# Altium PCB 控制板.PcbDoc (part 11 of 12)
Units mil, origin at the board's own origin, x right, y up, seen from the top; angles counter-clockwise.
Board outline 8150.4 x 2246.9 mil, 6 copper layers (TopLayer, MidLayer1, MidLayer2, MidLayer3, MidLayer4, BottomLayer); 1570 components, 853 nets, 4888 pads, 1859 vias.
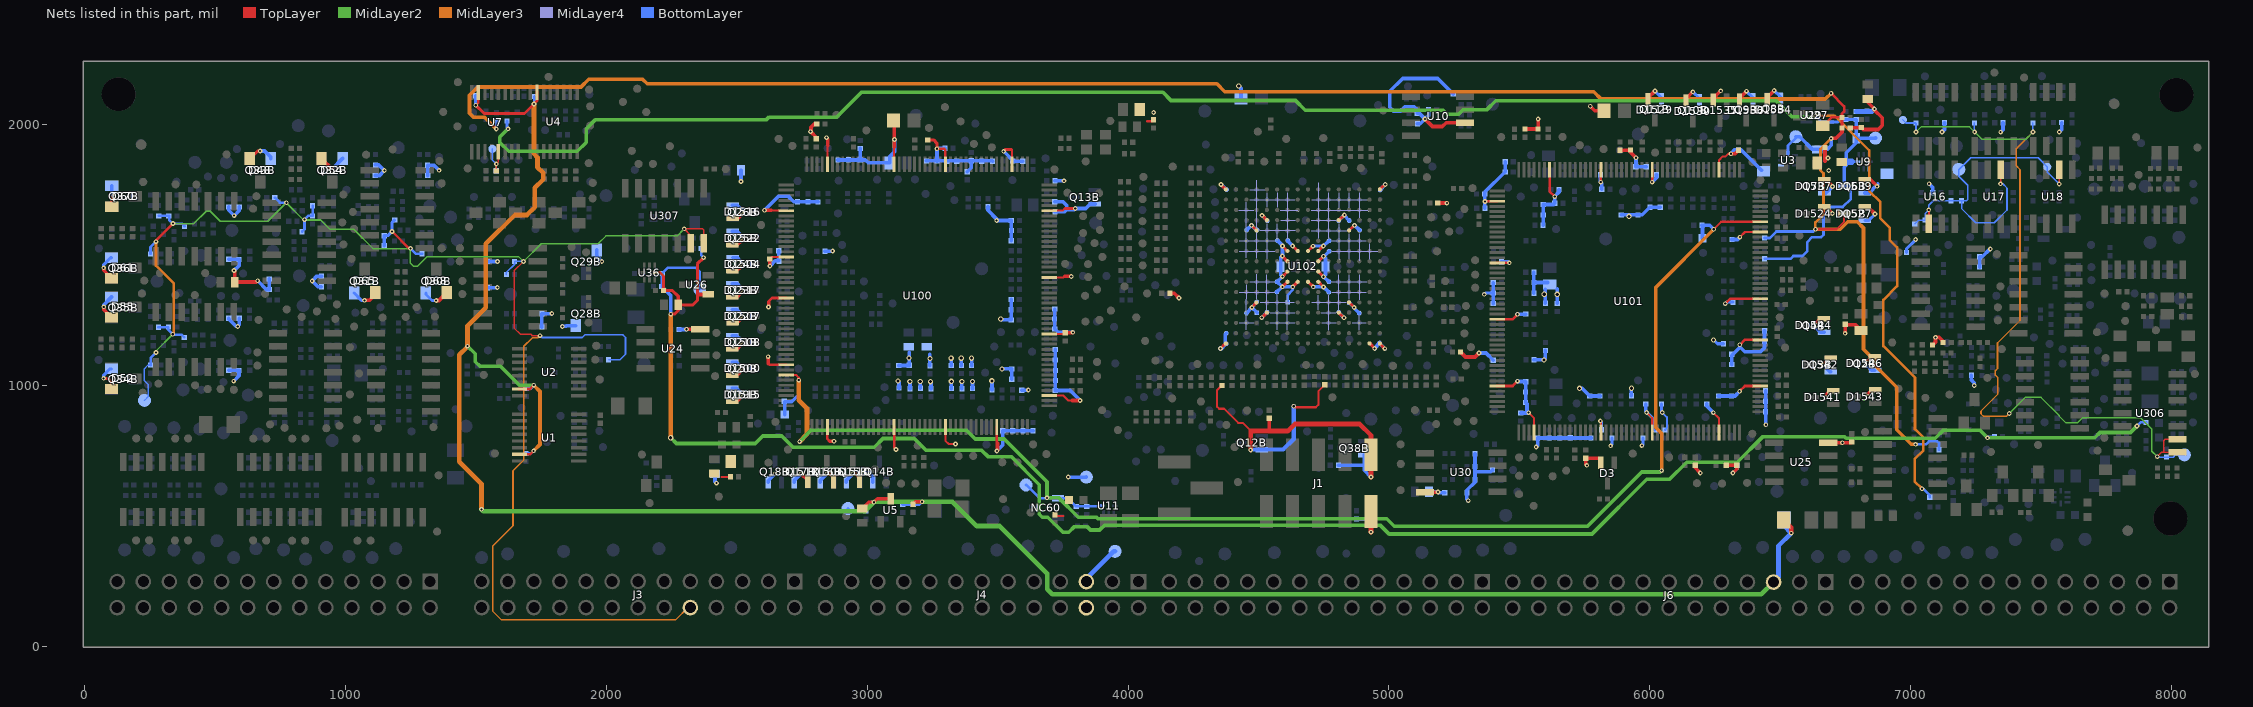
[diagram p15: the nets of this part, all layers, seen from the top]

## Via types
v1: diameter 18, hole 8, TopLayer to BottomLayer, tented both sides, 1737 vias
v2: diameter 20, hole 12, TopLayer to BottomLayer, tented both sides, 71 vias
v3: diameter 22, hole 12, TopLayer to BottomLayer, tented both sides, 51 vias

## Nets (pads, with @x,y where several pads share a name; then routed paths per layer and width w, separated by ;. In a path a pad name is that pad's centre, name@x,y a point inside that pad or via, vN(x,y) a via of type N, cw(c..) or ccw(c..) an arc to the next point about the centre after c; other vN are vias at no path point) (continued)
VDD: C11.1 C12.2 C13.1 C15.1 C19.2 C26.1 C27.1 C33.2 C34.2 C39.2 C43.1 C50.1 C55.2 C56.1 C63.2 C170.1 C190.1 C191.1 C192.1 C193.1 C194.2 C195.2 C196.2 C202.2 C203.2 C207.1 C212.2 C224.1 C229.1 C230.1 C231.2 C232.2 C234.1 C235.1 C236.1 C237.1 C238.1 C239.1 C240.1 C241.1 C242.1 C243.1 C244.2 C245.2 C246.2 C249.1 C252.1 C253.2 C254.2 C255.1 C256.2 C257.2 C258.1 C259.2 C260.2 C263.1 C265.2 C266.1 C267.1 C268.2 C269.1 C270.1 C271.1 C272.2 C273.2 C274.1 C275.1 C276.2 C277.1 C278.1 C279.2 C280.2 C281.2 C326.2 C327.2 C328.2 C358.1 C362.2 C370.2 C496.2 D3.2 D48.2 D52.2 D54.2 D55.2 D60.2 D61.2 D65.2 D66.1 D67.1 D68.2 D69.1 D1500.2 D1504.2 D1506.2 D1507.2 D1508.2 D1510.2 D1513.2 D1515.2 D1516.2 D1517.2 D1522.2 D1524.2 D1527.2 D1529.2 D1530.2 D1534.2 D1535.2 D1536.2 D1537.2 D1539.2 D1541.2 D1542.2 D1543.2 D1544.2 D1546.2 J1.1 J1.2 J4.5 J4.6 LB1.2 LB2.1 LB4.2 LB6.1 NC3.2 NC5.1 NC6.2 NC7.2 NC8.1 NC9.1 NC15.2 NC17.1 NC21.2 NC22.2 NC23.1 NC24.1 NC25.1 NC28.2 NC32.2 NC33.1 NC34.1 NC35.2 NC36.1 NC55.1 NC57.2 NC58.1 NC62.1 NC64.1 NC68.2 NC69.2 Q2B.2 Q3B.2 Q4B.2 Q5B.2 Q6B.2 Q7B.2 Q8B.2 Q9B.2 Q10B.2 Q11B.2 Q12B.2 Q13B.2 Q14B.2 Q15B.2 Q16B.2 Q17B.2 Q18B.2 Q19B.2 Q20B.2 Q21B.2 Q22B.2 Q23B.2 Q24B.2 Q25B.2 Q26B.2 Q28B.2 Q29B.2 Q30B.2 Q31B.2 Q32B.2 Q33B.2 Q34B.2 Q35B.2 Q36B.2 Q37B.2 Q38B.2 R21.2 R36.2 R39.1 R55.2 R56.2 R60.1 R64.1 R94.1 R104.1 R112.1 R148.2 R169.2 R173.1 R174.2 R306.1 R316.1 R317.2 R328.1 R331.2 R332.1 R336.1 R340.2 R348.2 R349.2 R350.2 R351.2 R353.2 R354.2 R374.1 R376.1 R377.2 R383.2 R384.1 R385.1 R386.1 R389.2 R391.2 R392.2 R393.2 R397.1 R398.1 R406.2 R408.2 R409.2 R410.2 R411.1 R412.1 R414.1 R415.2 R419.2 R420.2 R421.2 R424.1 R427.1 R428.1 R429.1 R454.1 R455.1 R457.1 R467.2 R472.1 R473.1 R474.1 R475.1 R476.1 R478.1 R479.1 R480.1 R488.1 R490.1 R492.2 R493.1 R494.1 R495.2 R498.2 R499.2 R501.2 R502.2 R503.2 R509.2 R510.2 R511.2 R512.1 R513.1 R514.1 R515.1 R516.1 R517.1 R518.2 R522.1 R523.1 R525.1 R526.1 R527.1 R528.2 R529.1 R530.1 R531.1 R532.1 R533.1 R534.2 R535.2 R536.2 R537.2 R538.2 R539.2 R564.2 R574.2 R575.2 R583.2 R584.2 R585.2 R586.1 R587.1 R608.2 R609.2 R615.2 R617.2 R672.2 R673.2 R681.2 R682.2 R735.2 R736.2 R739.1 R740.1 R758.2 R759.2 R764.2 R765.2 R785.2 R786.2 R789.2 R790.2 TP1101.1 TP1104.1 U3.4 U9.4 U10.2 U24.8 U25.8 U30.8 U100.6 U100.15 U100.23 U100.36 U100.49 U100.62 U100.72 U100.82 U100.91 U100.103 U100.114 U100.127 U100.136 U100.149 U100.159 U100.172 U101.6 U101.15 U101.23 U101.36 U101.49 U101.62 U101.72 U101.82 U101.91 U101.103 U101.114 U101.127 U101.136 U101.149 U101.159 U101.172 U102.A1 U102.A2 U102.A16 U102.D5 U102.D12 U102.E4 U102.E13 U102.G7 U102.G8 U102.G9 U102.G10 U102.H7 U102.H10 U102.J7 U102.J10 U102.K7 U102.K8 U102.K9 U102.K10 U102.M4 U102.M13 U102.N5 U102.N12 U102.T1 U102.T16 | length 26489.3
  TopLayer w8: 2441.8,650 C55.2@2475.7,650 ; 2620.3,1084.2 2624.68,1079.82 U100.36@2689,1079.82 ; C50.1@2626.9,1485.7 2634.41,1493.21 U100.15@2689,1493.21 ; 2632.4,1672.1 2634.13,1670.37 U100.6@2689,1670.37 ; U100.172@2847.14,1848.5 2847.14,1916.74 2849.2,1918.8 ; U100.159@3103.05,1848.5 3103.05,1914.44 ; U100.72@3299.9,840.8 3299.9,788.6 3312.6,775.9 v1(3338.2,775.9) ; 3552.6,1905.3 3555.8,1902.1 U100.136@3555.8,1848.5 ; U100.91@3697.8,961.71 3751.29,961.71 3770.2,942.8 3785.9,942.8 ; U100.103@3697.8,1197.93 3754.83,1197.93 C43.1@3759.4,1202.5 ; U100.114@3697.8,1414.47 3753.27,1414.47 3757.2,1418.4 ; U100.127@3697.8,1670.37 3749.17,1670.37 3757.8,1679 ; 4073.6,2013.2 4091.9,2013.2 C39.2@4097.4,2018.7 ; R104.1@4360.3,1000.5 4360.1,1000.5 4340.7,981.1 4340.7,919.6 4349.4,910.9 4368.4,910.9 4422.2,857.1 4440.1,857.1 4473,824.2 ; v1(4635.3,920.5) 4638.9,916.9 4720.3,916.9 4729.6,926.2 4729.6,978.1 4754.3,1002.8 R94.1@4754.6,1002.8 ; v1(5535.9,896.1) 5557.2,874.8 U101.136@5557.2,819.9 ; v1(5810.9,864.2) 5813.1,862 U101.149@5813.1,819.9 ; v1(5988.4,896.5) 6009.96,874.94 U101.159@6009.96,819.9 ; v1(6009.4,1779.8) 6009.95,1780.35 U101.62@6009.95,1827.6 ; v1(6244.2,896.1) 6265.86,874.44 U101.172@6265.86,819.9 ; U101.49@6265.86,1827.6 6265.86,1863.76 6280.7,1878.6 6291.3,1878.6 6301.5,1888.8 v1(6311.3,1888.8) ; v1(6345.9,1568.8) 6365.68,1588.58 U101.36@6424,1588.58
  TopLayer w10: 2621.9,1321.9 2635.73,1335.73 U100.23@2689,1335.73 ; U100.49@2847.14,840.8 2847.14,795.26 2856.1,786.3 ; U100.62@3103.05,840.8 3103.05,762.25 v1(3110.7,754.6) ; v1(3266.9,1907.8) 3295.2,1907.8 3299.9,1903.1 U100.149@3299.9,1848.5 ; U100.82@3496.75,840.8 3496.75,781.45 3499.4,778.8 ; v1(5368.8,1705.9) 5369.59,1706.69 U101.91@5415.2,1706.69 ; U101.127@5415.2,998.03 5474.33,998.03 v1(5493.2,1016.9) ; U101.114@5415.2,1253.93 5474.13,1253.93 v1(5493.4,1273.2) ; U101.103@5415.2,1470.47 5461.93,1470.47 v1(5462.1,1470.3) ; U101.82@5616.25,1827.6 5616.25,1743.85 v1(5636.1,1724) ; v1(5812.4,1779.6) 5813.1,1780.3 U101.72@5813.1,1827.6 ; v1(6289.9,1313.8) 6308.77,1332.67 U101.23@6424,1332.67 ; v1(6345.1,978.2) 6364.93,998.03 U101.6@6424,998.03 ; v1(6345.5,1156.3) 6364.39,1175.19 U101.15@6424,1175.19
  TopLayer w12: v1(72.4,1027.5) 88.2,1027.5 102.8,1012.9 D52.2@102.8,986.7 ; D48.2@632.4,1870 634,1870 663.2,1899.2 v1(672.4,1899.2) ; v1(2606.5,1672.1) 2632.4,1672.1 ; 2856.1,786.3 v1(2872.4,786.3) ; R169.2@3232.4,1941.7 3254.6,1941.7 3266.9,1929.4 v1(3266.9,1907.8) ; v1(3523.2,1898) 3530.5,1905.3 3552.6,1905.3 ; 3757.8,1679 v1(3797.8,1679) ; v1(4354.4,1141.9) U102.A16@4374.95,1161.5 ; v1(4356.1,1770.5) U102.T16@4374.95,1752.05 ; v1(4473.2,1614.2) U102.M13@4493.06,1594.57 ; v1(4474.6,1299) U102.E13@4493.06,1318.98 ; v1(4512.8,1260.3) U102.D12@4532.43,1279.61 ; v1(4514,1652.5) U102.N12@4532.43,1633.94 ; v1(4591.7,1378.4) U102.G10@4611.17,1397.72 ; v1(4591.7,1417.5) U102.H10@4611.17,1437.09 ; v1(4591.7,1496.5) U102.J10@4611.17,1476.46 ; v1(4592.1,1535.3) U102.K10@4611.17,1515.83 ; v1(4631.3,1534.8) U102.K9@4650.54,1515.83 ; v1(4631.5,1378.2) U102.G9@4650.54,1397.72 ; U102.G8@4689.91,1397.72 v1(4710.3,1378.2) ; U102.K8@4689.91,1515.83 v1(4709.4,1534.6) ; U102.G7@4729.28,1397.72 v1(4749.4,1378) ; U102.H7@4729.28,1437.09 v1(4749.6,1417.1) ; U102.J7@4729.28,1476.46 v1(4749.2,1495.7) ; U102.K7@4729.28,1515.83 v1(4749,1535.3) ; U102.D5@4808.02,1279.61 v1(4828,1260) ; U102.N5@4808.02,1633.94 v1(4829.2,1653.6) ; U102.E4@4847.39,1318.98 v1(4867.1,1299) ; U102.M4@4847.39,1594.57 v1(4868.2,1614) ; U102.A2@4926.13,1161.5 v1(4945.5,1142.1) ; U102.A1@4965.5,1161.5 v1(4984.6,1141.5) ; U102.T1@4965.5,1752.05 v1(4986.1,1770.7) ; v1(6674.9,954.4) 6674.9,964.1 6690.9,980.1 D1541.2@6704,980.1 ; U25.8@6684.5,780.5 6770.9,780.5 C27.1@6774.4,784 ; v1(6834.9,1085.5) 6834.9,1095.1 6850.3,1110.5 D1546.2@6863.6,1110.5 ; v1(6836.3,958.4) 6836.3,967.9 6852.2,983.8 D1543.2@6864.9,983.8
  TopLayer w14: v1(72.4,1451.3) 72.4,1442.1 D61.2@102.8,1411.7 ; v1(72.8,1301.7) 72.8,1291.7 102.3,1262.2 D55.2@103.2,1262.2 ; D60.2@103.6,1685.5 103.6,1716.7 v1(112.4,1725.5) ; v1(572.4,1440.9) 574.9,1438.4 C63.2@574.9,1396.7 657.8,1396.7 v1(662.8,1401.7) ; D54.2@907.8,1869.6 908.6,1869.6 947.8,1830.4 v1(947.8,1825.5) ; v1(1072.8,1326.7) 1092,1326.7 1113.2,1347.9 D65.2@1113.2,1356.3 ; v1(1347.4,1325.9) 1358.2,1325.9 D68.2@1388.6,1356.3 ; v1(2307.4,1215.9) U24.8@2360.3,1215.9 ; D1515.2@2482.4,939.2 2500.1,939.2 2515.3,954.4 v1@2515.3,963.8 ; D1500.2@2482.4,1039.6 2501.3,1039.6 2515.1,1053.4 v1(2515.1,1065.7) ; D1517.2@2482.4,1339.6 2501.1,1339.6 2515.3,1353.8 v1(2515.3,1365.5) ; D1508.2@2482.8,1140.4 2501.4,1140.4 2515.3,1154.3 v1(2515.3,1166.3) ; D1504.2@2483,1439.6 2500,1439.6 2515.3,1454.9 v1(2515.3,1465.5) ; D1522.2@2483,1539.4 2501.5,1539.4 2516.1,1554 v1(2516.1,1565) ; D1507.2@2483.6,1240.4 2500.6,1240.4 2515.3,1255.1 v1(2515.3,1265.9) ; D1516.2@2483.6,1640 2502.5,1640 2516.1,1653.6 v1(2516.1,1665) ; 2620.3,1084.2 v1(2620.3,1110.9) ; v1(2621.9,1300.9) 2621.9,1321.9 ; v1(2626.9,1458) C50.1@2626.9,1485.7 ; v1(2746.5,662.1) 2772,636.6 D1513.2@2772,630.5 ; R174.2@2804.4,1946.2 2804.4,1951.7 2784.4,1971.7 2784.4,1990.4 2797,2003 R173.1@2806.9,2003 ; v1(2843.6,1950.5) 2849.2,1944.9 2849.2,1918.8 ; v1(2846.1,662.1) 2857.6,662.1 2870.7,649 D1506.2@2870.7,630 ; v1(2945.7,662.5) 2956,662.5 2970.7,647.8 D1510.2@2970.7,630.9 ; D66.1@3100.3,2015.9 3103.05,2013.16 3103.05,1914.44 ; v1(3496.9,749.2) 3499.4,751.7 3499.4,778.8 ; 3757.2,1418.4 v1(3782.4,1418.4) ; C43.1@3759.4,1202.5 3786.9,1202.5 v1(3788.4,1204) ; 3785.9,942.8 v1(3816.5,942.8) ; R148.2@4160.4,1353.8 4177,1353.8 v1(4195.3,1335.5) ; 4541.1,828.8 R112.1@4541.1,874.4 ; v1(5138.8,2021.7) 5167.5,1993 5204.9,1993 5219.7,2007.8 U10.2@5291.9,2007.8 ; U30.8@5139,591.3 5139.2,591.5 v1(5188.6,591.5) ; R64.1@5187.6,1699.6 5222.2,1699.6 v1(5222.4,1699.4) ; NC64.1@5275.1,1128.2 5293.7,1109.6 5330.5,1109.6 v1(5345.7,1124.8) ; NC68.2@5521.7,1983.3 5571.7,1983.3 5572.6,1984.2 v1(5572.6,2021.7) ; v1(5759.2,694) 5755.1,698.1 R60.1@5755.1,721.5 5802.7,721.5 5812.7,711.5 D3.2@5812.7,703.8 ; v1(5772.1,2070.9) 5789.6,2053.4 D67.1@5824.9,2053.4 ; C34.2@5886.3,1902.4 5926.3,1902.4 5926.3,1894.5 v1(5947.4,1873.4) ; D1529.2@5994,2096.7 5994,2103.1 v1(6020.1,2129.2) ; D1530.2@6139.2,2091.9 6139.2,2099.6 v1(6165.5,2125.9) ; NC62.1@6174.4,694 6174.4,684.6 v1(6194.2,664.8) ; D1535.2@6243.6,2094.8 6243.6,2100.8 v1(6272.6,2129.8) ; R56.2@6293.8,694.1 6333.8,694.1 6333.8,679.2 v1(6319,664.4) ; v1(6311.3,1888.8) 6327.3,1888.8 C19.2@6340.9,1902.4 ; D1536.2@6344.6,2095.7 6344.6,2102.5 v1(6370.9,2128.8) ; D1534.2@6450.7,2096.7 6450.7,2104.2 v1(6477.4,2130.9) ; v1(6639,1230.7) 6639,1240.7 6654.6,1256.3 D1544.2@6667.8,1256.3 ; v1(6664,1079.2) 6690.3,1105.5 D1542.2@6693.6,1105.5 ; D1524.2@6669.4,1685.1 6674.6,1685.1 v1(6700.3,1659.4) ; D1537.2@6669.4,1789.7 6674.4,1789.7 v1(6700.7,1763.4) ; 6672.4,1860.1 C15.1@6672.4,1912.8 ; v1(6749.6,1200.3) 6749.6,1234.3 6750.3,1233.6 6787.2,1233.6 LB6.1@6809.9,1210.9 ; R21.2@6768.8,1987.1 6770.7,1989 6812.4,1989 6819.7,1981.7 6875.9,1981.7 6891.5,1997.3 6891.5,2026.3 6861.3,2056.5 6861.3,2060.7 6836.3,2085.7 C11.1@6836.3,2098.6 ; D1527.2@6824.4,1685.1 6836.6,1685.1 v1(6864.2,1657.5) ; D1539.2@6824.4,1790.1 6845.6,1790.1 v1(6872.1,1763.6) ; R39.1@7084.9,1155.5 7095.9,1166.5 v1(7095.9,1184.6) 7109.9,1184.6 7124.9,1169.6 R36.2@7124.9,1164.6
  TopLayer w18: v1(4470.1,752.8) 4470.1,825.5 4612.4,825.5 4639.2,852.3 4887.8,852.3 4931.7,808.4 v1(4931.7,649.2) ; v1(4931.7,438) 4931.7,517 J1.2@4931.9,517.2
  MidLayer4 w4: 4424.27,1672.55 4481.96,1672.55 ; 4425.78,1240.19 4482.88,1240.19 ; 4426.53,1515.33 4563,1515.33 ; 4427.01,1358.47 4562.42,1358.47 ; 4427.03,1554.46 4563.47,1554.46 ; 4453.33,1213.51 4453.33,1331.73 4454.6,1333 4454.6,1386.31 ; 4454.03,1489.4 4454.03,1702.57 ; 4466.26,1750.86 4523.24,1750.86 ; 4466.65,1397.55 4561.85,1397.55 ; 4467.11,1711.81 4639.63,1711.81 ; 4493.3,1487.62 4493.3,1787.2 ; 4493.54,1331.43 4493.54,1426.32 ; 4506.13,1594.43 4641.37,1594.43 ; 4506.7,1318.83 4638.17,1318.83 ; 4532.7,1284.7 4532.7,1424.57 ; 4533.07,1485.37 4533.07,1620.99 ; 4533.7,1683.4 4533.7,1738.77 ; 4544.3,1240.63 4637.93,1240.63 4638.6,1241.3 ; 4545.5,1279.84 4638.36,1279.84 ; 4572.03,1213.61 4572.03,1346.76 ; 4572.6,1557.3 4572.6,1620.8 ; 4573.14,1683.49 4573.14,1738.67 ; 4583.74,1672.75 4648.45,1672.75 4652.4,1668.8 ; 4585.16,1633.51 4641.2,1633.51 ; 4611,1212.91 4611,1345.67 ; 4612.41,1564.48 4612.41,1738.81 ; 4702.51,1633.42 4798.86,1633.42 ; 4703.06,1672.79 4917.1,1672.79 4922.59,1667.3 ; 4703.4,1594.24 4838.9,1594.24 ; 4703.69,1712.43 4916.67,1712.43 ; 4703.8,1319.23 4835.74,1319.23 ; 4729.61,1291.43 4729.61,1345.43 ; 4729.75,1566.48 4730.6,1567.33 4730.6,1777.41 ; 4740.26,1279.3 4796.48,1279.3 ; 4742.56,1240.38 4797.84,1240.38 ; 4769.39,1212.88 4769.39,1346.62 ; 4770.13,1738.77 4770.13,1567 4770.6,1566.52 ; 4781.49,1397.81 4914.37,1397.81 4914.67,1397.51 ; 4781.66,1515.3 4956.7,1515.3 ; 4781.9,1358.44 4912.74,1358.44 ; 4782.95,1554.98 4914.12,1554.98 ; 4806.39,1679.3 4809.59,1682.5 4809.59,1739.01 ; 4808.6,1289.54 4808.6,1424.5 ; 4809.47,1620.99 4809.47,1485.43 4811.6,1483.3 ; 4845.7,1681.3 4848.56,1684.16 4848.56,1739.64 ; 4848.4,1331.34 4848.4,1423.9 ; 4848.74,1485.96 4848.74,1582.38 ; 4860.54,1240.35 4912.45,1240.35 ; 4886.95,1212.35 4886.95,1267.15 ; 4887.61,1328.32 4887.61,1424.92 ; 4887.7,1643 4887.7,1738.97 ; 4888.08,1479.32 4888.08,1582.34 ; 4927.05,1483.95 4927.05,1542.92
  BottomLayer w8: v1(6048.2,896.3) 6066.1,878.4 6066.1,836.7 C191.1@6059,829.6
  BottomLayer w10: R457.1@4612.4,1318.8 4612.4,1347.8 4631.5,1366.9 v1(4631.5,1378.2)
  BottomLayer w12: v1(72.4,1027.5) 72.4,1039.2 97,1063.8 Q34B.2@102.4,1063.8 ; v1(72.4,1451.3) 72.4,1463.4 99,1490 Q36B.2@102.8,1490 ; Q37B.2@103.6,1766.3 103.6,1734.3 v1(112.4,1725.5) ; Q31B.2@1032.8,1354.6 1060.7,1326.7 v1(1072.8,1326.7) ; Q30B.2@1308.2,1355 1308.2,1349.2 1331.5,1325.9 v1(1347.4,1325.9) ; Q19B.2@2482.4,990.5 2499.8,990.5 2515.3,975 v1(2515.3,965) ; Q20B.2@2482.8,1090.1 2500.7,1090.1 2515.1,1075.7 v1(2515.1,1065.7) ; Q22B.2@2482.8,1291.3 2501.1,1291.3 2515.3,1277.1 v1(2515.3,1265.9) ; Q24B.2@2483.6,1491.3 2501.5,1491.3 2515.3,1477.5 v1(2515.3,1465.5) ; v1(5365.7,1349.8) 5370.3,1354.4 R428.1@5400.3,1354.4 ; v1(5810.9,864.2) 5814.9,860.2 C193.1@5814.9,830.9 ; v1(5850.3,768.8) 5855.3,773.8 NC32.2@5855.3,798.4 ; v1(5970.1,769.4) 5974.9,774.2 R374.1@5974.9,798.8 ; C196.2@5984.9,929.3 5984.9,901.2 6019.4,866.7 C192.1@6019.4,830 ; v1(6020.1,2129.2) 6045.3,2104 Q11B.2@6045.3,2098.4 ; C195.2@6044.9,928.8 6044.9,899.6 v1(6048.2,896.3) ; v1(6165.5,2125.9) 6191.1,2100.3 Q10B.2@6191.1,2094.6 ; v2(6244.9,1175) 6259.9,1160 R389.2@6283.2,1160 ; v1(6289.9,1313.8) 6295.7,1319.6 C207.1@6319,1319.6 ; v1(6370.9,2128.8) 6396.1,2103.6 Q9B.2@6396.1,2097.5 ; v1(6477.4,2130.9) 6502,2106.3 Q8B.2@6502,2100 ; v1(6664,1079.2) Q3B.2@6690.1,1053.1 ; Q5B.2@6825.3,1633.3 6840,1633.3 v1(6864.2,1657.5) ; v1(6834.9,1085.5) 6834.9,1073.6 6850.2,1058.3 Q2B.2@6864.4,1058.3 ; R328.1@6984.9,1509.6 6984.9,1524.6 v1(7019.9,1559.6)
  BottomLayer w14: v1(72.8,1301.7) 72.8,1309.2 Q35B.2@102.8,1339.2 ; R736.2@551.9,1058.4 591.5,1058.4 591.5,1037.1 v1(571.1,1016.7) ; R765.2@552.4,1257.6 552.4,1255 580.7,1226.7 v1(586.5,1226.7) 592.4,1232.6 R764.2@592.4,1258 ; R786.2@552.4,1484.3 591,1484.3 R785.2@591.9,1483.4 591.9,1460.4 v1(572.4,1440.9) ; R790.2@552.4,1684.3 552.4,1671.7 v1(572.8,1651.3) 592.4,1670.9 R789.2@592.4,1684.7 ; v1(662.8,1401.7) 696.1,1368.4 R758.2@707,1368.4 R759.2@707,1408.4 ; v1(672.4,1899.2) 689.5,1899.2 712.7,1876 Q33B.2@712.7,1870 ; R739.1@907.4,1378.8 894,1378.8 v1(871.9,1400.9) 890.6,1419.6 R740.1@907.8,1419.6 ; v1(947.8,1825.5) 947.8,1829.7 988.6,1870.5 Q32B.2@989.4,1870.5 ; R681.2@1114,1805.5 1129.9,1805.5 v1(1148.6,1824.2) 1126.9,1845.9 R682.2@1114.4,1845.9 ; R672.2@1314.8,1805 1314.8,1844.6 1339,1844.6 v1(1358.6,1825) ; R615.2@1543.1,1375 1581,1375 v1(1581.9,1375.9) ; R617.2@1543.6,1475.5 1582,1475.5 v1(1582.4,1475.9) ; R608.2@1752.7,1224.2 R609.2@1752.7,1275 1753.6,1275.9 v1(1791.1,1275.9) ; v1(1831.1,1226.7) 1844.2,1226.7 1847.1,1229.6 Q28B.2@1882.4,1229.6 ; Q29B.2@1963.6,1520.5 1963.6,1494.7 v1(1982.4,1475.9) ; C362.2@2278.1,1214.6 2306.1,1214.6 v1(2307.4,1215.9) ; C358.1@2416.5,660.9 2416.5,631.3 v1(2421.9,625.9) ; Q21B.2@2482.4,1191.3 2500.3,1191.3 2515.3,1176.3 v1(2515.3,1166.3) ; Q23B.2@2483.2,1390.9 2501.5,1390.9 2515.3,1377.1 v1(2515.3,1365.5) ; Q25B.2@2483.6,1591.3 2501.1,1591.3 2516.1,1576.3 v1(2516.1,1565) ; Q26B.2@2483.6,1690.9 2502.1,1690.9 2516.1,1676.9 v1(2516.1,1665) ; v1(2516.1,1782.1) 2516.1,1825.5 C370.2@2516.5,1825.9 ; v1(2606.5,1672.1) 2660.7,1726.3 2696.5,1726.3 2718.6,1704.2 NC5.1@2811.5,1704.2 ; Q18B.2@2620.2,629.2 2620.2,635 v1(2646.9,661.7) ; v1(2626.9,1458) 2646.9,1478 2660.7,1478 R575.2@2660.7,1516.7 ; Q17B.2@2720.2,629.2 2720.2,635.8 v1(2746.5,662.1) ; Q16B.2@2819.8,629.2 2819.8,635.8 v1(2846.1,662.1) ; R564.2@2838.1,1515 2866.5,1515 v1(2867.4,1515.9) ; R587.1@2888.2,1865 2992.8,1865 3004,1853.8 C326.2@3087,1853.8 3087,1878.9 3104.4,1896.3 v1(3104.4,1943) ; Q15B.2@2920.2,629.2 2920.2,637 v1(2945.7,662.5) 2951.4,668.2 3005.4,668.2 3021.1,652.5 Q14B.2@3021.1,629.6 ; NC3.2@2973.2,1864.6 R585.2@2973.2,1908.8 ; v2(3118.2,1016.9) 3121.9,1013.2 R537.2@3121.9,990.4 ; NC6.2@3120.7,1077.1 3160.7,1077.1 3160.7,1128 ; v2@3163.2,1013.8 3164,1013 R536.2@3164,987.9 ; v2(3203.6,1015.9) 3204,1015.5 R535.2@3204,989.2 ; R532.1@3227.4,1861.3 3479,1861.3 R525.1@3480.7,1859.6 ; R538.2@3240.3,1076.2 3240.3,1120.5 ; v2(3242.6,1014.8) 3244.4,1013 R534.2@3244.4,987.9 ; R531.1@3267.8,1860.9 3267.8,1908.7 3268.7,1909.6 R533.1@3298.2,1909.6 ; R517.1@3321.9,1076.3 v2(3321.9,1105) ; v2(3322.6,1016.1) 3322.8,1015.9 R514.1@3322.8,988.8 ; v2(3360.7,1105) 3361.1,1104.6 R516.1@3361.1,1076.9 ; v2(3362.8,1015.9) 3363,1015.7 R513.1@3363,988 ; R527.1@3383.6,1820 3399,1835.4 R528.2@3399,1862.2 ; R515.1@3400.3,1077.1 v2(3400.3,1105) ; v2(3403.2,1015.9) 3403.6,1015.5 R512.1@3403.6,988.4 ; R518.2@3463.2,1685.1 3463.2,1671.7 3496.1,1638.8 3496.1,1632.9 3552.3,1632.9 3552.4,1632.8 R509.2@3552.4,1555.5 ; v2(3477.8,1018) 3478.2,1017.6 NC7.2@3478.2,983.3 ; v1(3496.9,749.2) 3519.5,771.8 3519.5,826.8 R492.2@3636.1,826.8 ; v2(3511.9,1255) 3515.2,1251.7 R501.2@3552,1251.7 R503.2@3552,1329.6 ; v2(3516.9,1063.8) 3553.7,1063.8 3554.5,1063 R498.2@3554.5,1023.8 ; v1(3523.2,1898) 3561.2,1860 R522.1@3596.1,1860 ; R495.2@3592.8,981.7 3616.7,981.7 v1(3618,983) ; R480.1@3719,1293 3719,1217.2 3732.2,1204 v1(3788.4,1204) ; R488.1@3719.4,1704.6 3750.7,1704.6 3764.9,1690.4 3764.9,1675.1 3756.5,1666.7 NC9.1@3719.9,1666.7 ; R490.1@3719.9,1785.5 3753.5,1785.5 v1(3754.4,1784.6) ; R476.1@3721.1,1138 R472.1@3721.1,980.9 3778.4,980.9 v1(3816.5,942.8) ; 3764.4,1674.6 3793.4,1674.6 v1(3797.8,1679) 3838,1679 3854.8,1695.8 Q13B.2@3873.2,1695.8 ; v1@3771.1,648.8 TP1104.1@3840.3,648.8 TP1104.1@3839.9,649.2 ; v1(4354.4,1141.9) 4358.2,1141.9 4372.4,1156.1 4372.4,1196.4 C281.2@4376.5,1200.5 ; v1(4356.1,1770.5) C279.2@4377.6,1751.3 ; v2(4424.4,2148.6) 4433.2,2139.8 D69.1@4433.2,2104.2 ; C273.2@4454.2,1277.3 v1(4474.6,1299) ; C278.1@4454.6,1596.1 v1(4473.2,1614.2) C277.1@4494.4,1596.3 ; C272.2@4493.4,1320.5 v1(4474.6,1299) ; R467.2@4495.3,1278.8 v1(4474.6,1299) ; v1(4512.8,1260.3) C269.1@4533,1281.1 ; v1(4514,1652.5) C276.2@4534,1631.3 ; C270.1@4570.7,1358.4 v1(4591.7,1378.4) ; C275.1@4572.8,1556.1 4592.1,1536.8 4592.1,1496.9 4584.9,1489.7 4584.9,1424.3 v1(4591.7,1417.5) C271.1@4571.1,1398 v1(4591.7,1378.4) ; C274.1@4613,1556.3 4613,1553.1 v1(4631.3,1534.8) ; v1(4631.5,1378.2) v1(4591.7,1378.4) ; v1(4709.4,1534.6) v1(4749,1535.3) C260.2@4770.9,1555 ; v1(4710.3,1378.2) 4749.4,1378.2 C256.2@4770.1,1357.5 ; C257.2@4770.5,1398 v1(4749.6,1417.1) 4756.9,1424.4 4756.9,1488 v1(4749.2,1495.7) 4752,1495.7 C259.2@4771.3,1515 ; NC15.2@4806.5,694.6 4903.2,694.6 ; C255.1@4808.2,1281.3 v1(4828,1260) ; C267.1@4808.2,1631.7 v1(4829.2,1653.6) C266.1@4848.2,1632.5 ; C254.2@4847.8,1316.9 C253.2@4886.5,1277.7 ; v1(4868.2,1614) C265.2@4887.8,1596.1 ; NC17.1@4875.7,488.4 4929.9,488.4 4931.7,486.6 v1(4931.7,438) ; Q38B.2@4906.1,734.2 4906.1,674.8 v1(4931.7,649.2) ; v1(4945.5,1142.1) C252.1@4964.4,1163 v1(4984.6,1141.5) ; C263.1@4966.5,1750 v1(4986.1,1770.7) ; R454.1@5109.4,2003.4 5120.5,2003.4 5152.4,2035.3 C249.1@5152.4,2058.4 ; v1(5138.8,2021.7) 5117.1,2043.4 R455.1@5108.6,2043.4 5108.6,2058 5097.2,2069.4 5060.9,2069.4 5042.6,2051.1 5019.4,2051.1 5003.8,2066.7 5003.8,2128 5053.1,2177.3 5187.1,2177.3 R414.1@5246.9,2117.5 ; NC57.2@5154,593 5187.1,593 5190.9,589.2 NC21.2@5214.5,589.2 ; v1(5304.4,558.8) 5299.1,564.1 5299.1,598.5 5330.3,629.7 5330.3,738.4 NC25.1@5330.7,738.8 ; 5331.9,669 5390.9,669 NC28.2@5397.8,675.9 ; v1(5345.7,1124.8) 5372.8,1124.8 R424.1@5400.5,1097.1 ; C245.2@5368.1,1679.6 5368.1,1741.6 5446.1,1819.6 R412.1@5446.1,1858.4 ; R427.1@5400.3,1314.6 R429.1@5400.3,1394.6 ; C244.2@5431.9,1474.6 5457.8,1474.6 v1(5462.1,1470.3) ; v1(5493.2,1016.9) 5494.8,1015.3 5523,1015.3 5524.4,1013.9 C236.1@5524.4,934.6 5529.9,929.1 5529.9,899.9 5534.8,895 C235.1@5505.3,895 ; v1(5493.4,1273.2) 5494,1273.8 C243.1@5524.9,1273.8 ; R419.2@5556.1,1354.4 R421.2@5556.1,1434.6 ; R415.2@5556.5,1098.8 5594,1098.8 5600.3,1105.1 C239.1@5600.3,1134.2 ; R420.2@5556.5,1395 C242.1@5609.1,1395 ; v1(5564.6,764.4) 5570.3,770.1 C234.1@5570.3,798.8 R376.1@5774.9,798.8 ; R408.2@5591.5,1614.2 5591.5,1693.4 R410.2@5592.3,1694.2 5631.6,1694.2 5636.1,1698.7 5636.1,1725.8 5652.3,1742 R406.2@5652.3,1751.3 ; C241.1@5600.3,1315.5 C242.1@5600.3,1368 ; C240.1@5645.3,1315 5645.3,1370.9 ; v2(5730.5,989.2) 5740.7,989.2 5769.9,960 NC33.1@5810.1,960 ; C230.1@5811.1,1808.4 5811.1,1780.9 5816.2,1775.8 C231.2@5816.2,1752.5 ; R393.2@5891.1,1654.3 5971.2,1654.3 6000.7,1683.8 NC35.2@6040.7,1683.8 ; NC34.1@5929.9,960.5 v2(5929.9,989.6) ; v1(5947.4,1873.4) 5947.4,1840.1 R398.1@5946.5,1839.2 R397.1@5986.5,1839.2 ; v1(6009.4,1779.8) 6026.1,1796.5 C229.1@6026.1,1808.4 ; C194.2@6218.6,929.7 6218.6,921.7 v1@6244,896.3 ; NC58.1@6264,960 6326.9,960 v1(6345.1,978.2) ; v1(6311.3,1888.8) 6325.5,1903 6350.9,1903 C190.1@6428.9,1825 ; C202.2@6314.4,1080.5 6314.4,1114.8 6345.5,1145.9 6345.5,1151.5 6345.5,1149.2 6364.9,1129.8 6425,1129.8 6440.2,1145 R354.2@6440.2,1210 ; C212.2@6315.6,1560 6337.1,1560 v1(6345.9,1568.8) ; v1(6319,664.4) 6333.8,679.2 R348.2@6333.8,694.1 ; R351.2@6444.6,980 6444.6,850.5 v1(6445.5,849.6) ; v1(6639,1230.7) 6639,1219.7 6654.5,1204.2 Q4B.2@6669.4,1204.2 ; Q7B.2@6670.3,1737.9 6675.2,1737.9 v1(6700.7,1763.4) ; Q3B.2@6690.1,1053.1 Q3B.2@6694.6,1053.1 ; Q6B.2@6824.9,1738.3 6840.7,1738.3 6874.9,1772.5 ; v1(7071.5,1773.8) 7085.7,1759.6 R331.2@7085.7,1738.8 ; v1(7121.1,1972.1) 7130.6,1981.6 R340.2@7130.6,2008 ; R306.1@7233.6,1039.2 7233.6,1020.9 7244.4,1010.1 v1(7244.4,1000) ; R316.1@7264.9,1454.6 R317.2@7264.9,1493.8 7274.9,1493.8 7304.9,1523.8 v1(7306.1,1523.8) ; v1(7345.7,1971.7) 7354.4,1980.4 R336.1@7354.4,2007.5 ; v1(7570.3,1972.1) 7579.4,1981.2 R332.1@7579.4,2008
  BottomLayer w16: v1(4470.1,752.8) 4471.5,754.2 4594.9,754.2 4635.3,794.6 v1(4635.3,920.5)
  BottomLayer w18: J4.5@3840.3,248 3840.3,259.6 3944.9,364.2 TP1101.1@3950.3,364.2 ; NC36.1@6792.4,2050.9 6852.2,2050.9 v1(6861.3,2060)
  other v1: 3770.7,649.2 6738.6,780.7 3496.1,1633 6686.5,1824.6 6683.6,1872.1 2782.8,1973.4 4098.2,2046.7
  other v2: 3163.4,1015.7 5594.4,1098.4 3240.7,1104.2 3160.3,1105.5 5595.9,1349.8 5645.7,1349.6 5921.1,1648.8
VEE: C32.1 C49.2 C331.1 C378.1 C379.1 C403.1 C408.1 C498.1 J6.5 R167.1 R541.2 R542.2 TP16.1 U1.7 U2.7 U4.7 U5.3 U7.7 | length 8859.1
  TopLayer w10: v1(1499.2,2074.6) 1509.03,2084.43 U7.7@1509.03,2123.8 ; U1.7@1666.5,736.23 1707.73,736.23 v1(1721.1,749.6) ; U2.7@1666.5,986.73 1706.93,986.73 v1(1721.5,1001.3)